# Altium PCB PCB-2-Layer_(1).PcbDoc (part 2 of 2)
Units mm, origin at the board's own origin, x right, y up, seen from the top; angles counter-clockwise.
Board outline 103.78 x 88.75 mm, 2 copper layers (Top Layer, Bottom Layer), stack 1.535 mm thick; 124 components, 78 nets, 479 pads, 495 vias.
Unrouted connection lines stored in the file: 106.
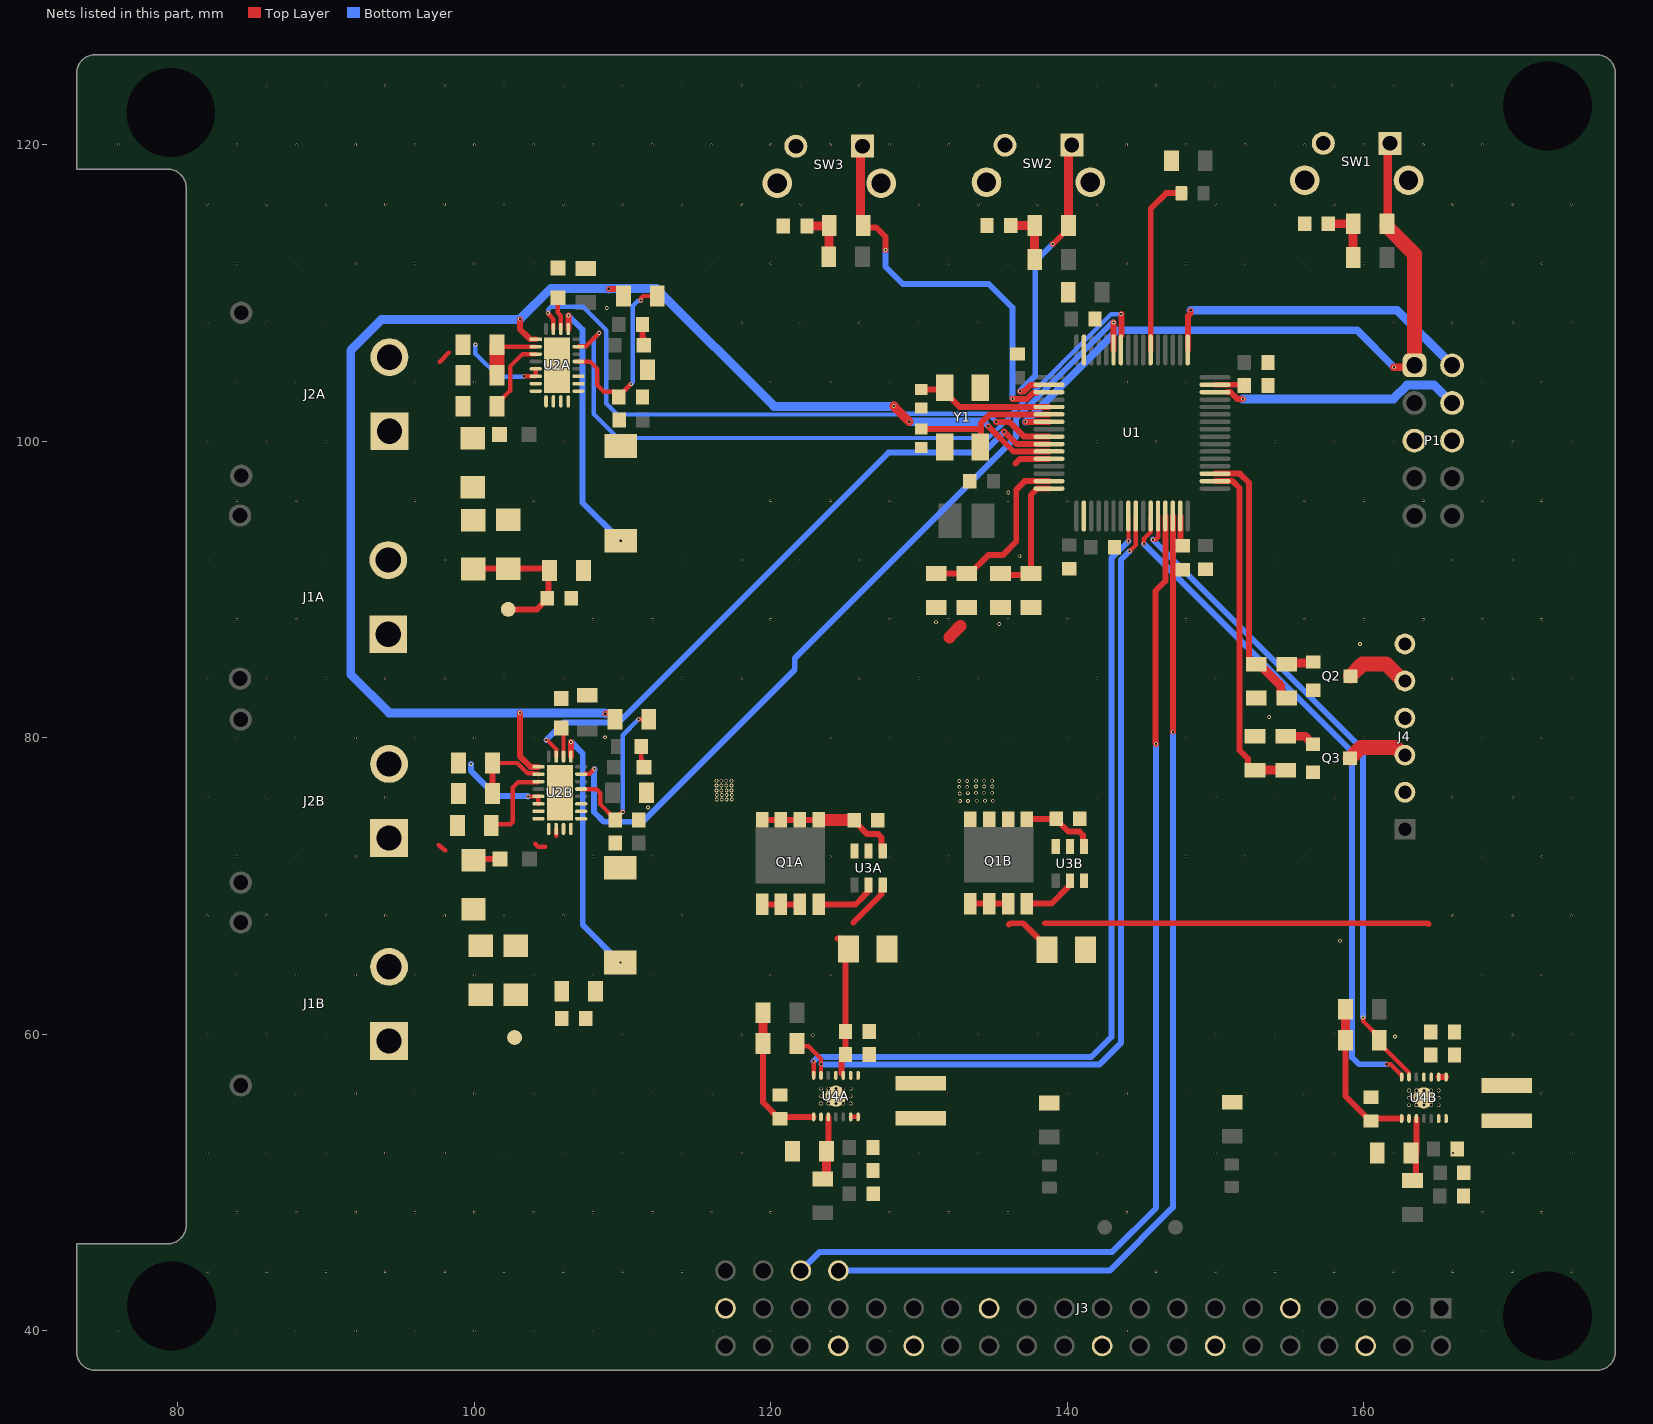
[diagram p2: the nets of this part, all layers, seen from the top]

## Via types
v1: diameter 0.15, hole 0.14, Top Layer to Bottom Layer, 348 vias
v2: diameter 0.25, hole 0.15, Top Layer to Bottom Layer, 117 vias
v3: diameter 0.25, hole 0.2, Top Layer to Bottom Layer, 30 vias

## Nets (pads, with @x,y where several pads share a name; then routed paths per layer and width w, separated by ;. In a path a pad name is that pad's centre, name@x,y a point inside that pad or via, vN(x,y) a via of type N, cw(c..) or ccw(c..) an arc to the next point about the centre after c; other vN are vias at no path point) (continued)
"FB_U_Buck - Boost Converter1": R21A.2 R22A.1 U4A.3 | length 4.4
  Top Layer w0.4: R22A.1@123.745,52.115 123.883,52.253 U4A.3@123.883,54.44
  Top Layer w0.6: R21A.2@123.493,50.26 123.545,50.26 123.745,50.46 R22A.1@123.745,52.115
"FB_U_Buck - Boost Converter2": R21B.2 R22B.1 U4B.3 | length 4.3
  Top Layer w0.4: R21B.2@163.28,50.145 163.509,50.374 163.509,52 163.542,52.033 U4B.3@163.542,54.326
"G_OR__ideal diode1": Q1A.4 U3A.5 | length 4.1
  Top Layer w0.4: Q1A.4@123.221,68.768 125.708,68.768 126.3,69.36 126.3,69.384 126.583,69.667 126.583,69.892 U3A.5@126.658,69.967
"G_OR__ideal diode2": Q1B.4 U3B.5 | length 3.7
  Top Layer w0.4: Q1B.4@137.27,68.822 138.926,68.822 140.095,69.991 140.095,70.293 U3B.5@140.17,70.368
GND: C1.1 C2.1 C3.1 C4.1 C5.1 C6.1 C7.1 C8.1 C9.1 C10.1 C11.1 C12.1 C13.1 C14.1 C17A.1 C17B.1 C18A.1 C18B.1 C19A.1 C19B.1 C21A.1 C21B.1 C22A.1 C22B.1 C23A.1 C23B.1 C24A.1 C24B.1 C25A.1 C25B.1 C26A.1 C26B.1 C27A.1 C27B.1 C28A.1 C28B.1 C29A.1 C29B.1 J1A.N J1B.N J2A.N J2B.N J3.6 J3.9 J3.14 J3.20 J3.25 J3.30 J3.34 J3.39 J4.6 P1.5 P1.6 Q2.2 Q3.2 R3.2 R4.2 R11.2 R16A.1 R16B.1 R17A.1 R17B.1 R18A.2 R18B.2 R22A.2 R22B.2 R24.2 R26.1 R27.1 R28.1 R29.2 SW1.1 SW1.2 SW1.B SW2.1 SW2.2 SW2.B SW3.1 SW3.2 SW3.B U1.12 U1.18 U1.63 U2A.7 U2A.8 U2A.9 U2A.10 U2A.11 U2A.12 U2A.25 U2B.7 U2B.8 U2B.9 U2B.10 U2B.11 U2B.12 U2B.25 U3A.2 U3A.3 U3B.2 U3B.3 U4A.2 U4A.15 U4B.2 U4B.15 Y1.2 Y1.4 | length 3.6
  Top Layer w0.3: 104.115,72.847 104.318,72.644 104.775,72.644 ; 105.516,73.385 U2B.10@105.516,73.861
  Top Layer w0.4: 136.492,98.502 136.809,98.819 U1.12@138.774,98.819
  other v1: 76,40 84,40 88,40 92,40 96,40 100,40 104,40 108,40 112,40 116,40 120,40 124,40 128,40 132,40 136,40 140,40 144,40 148,40 152,40 156,40 160,40 164,40 168,40 82,44 86,44 90,44 94,44 98,44 102,44 106,44 110,44 114,44 146,44 150,44 154,44 158,44 162,44 166,44 170,44 174,44 84,48 88,48 92,48 96,48 100,48 104,48 108,48 112,48 116,48 120,48 128,48 132,48 136,48 144,48 168,48 172,48 82,52 86,52 90,52 94,52 98,52 102,52 106,52 110,52 114,52 118,52 130,52 134,52 138,52 142,52 150,52 154,52 158,52 162,52 166,52 170,52 174,52 88,56 92,56 96,56 100,56 104,56 108,56 112,56 116,56 132,56 136,56 140,56 144,56 148,56 152,56 156,56 172,56 82,60 86,60 90,60 110,60 118,60 130,60 134,60 138,60 142,60 150,60 154,60 158,60 170,60 174,60 84,64 88,64 92,64 96,64 100,64 104,64 108,64 112,64 120,64 124,64 168,64 172,64 82,68 86,68 90,68 94,68 98,68 102,68 106,68 114,68 166,68 170,68 174,68 84,72 88,72 92,72 108,72 112,72 124,72 128,72 132,72 148,72 152,72 156,72 168,72 172,72 82,76 86,76 90,76 94,76 114,76 142,76 150,76 154,76 158,76 166,76 170,76 174,76 84,80 88,80 92,80 96,80 100,80 104,80 124,80 128,80 132,80 136,80 140,80 148,80 168,80 172,80 160,80.025 82,84 86,84 90,84 94,84 98,84 102,84 106,84 110,84 114,84 118,84 126,84 130,84 134,84 142,84 150,84 158,84 166,84 170,84 174,84 84,88 88,88 108,88 112,88 120,88 128,88 132,88 136,88 140,88 148,88 156,88 160,88 164,88 168,88 172,88 82,92 86,92 90,92 98,92 114,92 118,92 122,92 126,92 130,92 138,92 154,92 158,92 162,92 166,92 170,92 174,92 84,96 88,96 96,96 104,96 120,96 124,96 128,96 136,96 140,96 156,96 160,96 164,96 168,96 172,96 82,100 86,100 90,100 106,100 142,100 146,100 154,100 158,100 162,100 170,100 174,100 84,104 88,104 96,104 100,104 120,104 124,104 128,104 144,104 148,104 168,104 172,104 82,108 86,108 90,108 118,108 122,108 126,108 130,108 134,108 162,108 166,108 170,108 174,108 84,112 88,112 92,112 96,112 100,112 104,112 116,112 120,112 132,112 136,112 144,112 148,112 152,112 156,112 160,112 168,112 172,112 82,116 86,116 90,116 94,116 98,116 102,116 106,116 110,116 114,116 118,116 122,116 130,116 134,116 138,116 142,116 150,116 154,116 158,116 166,116 170,116 174,116 76,120 84,120 88,120 92,120 96,120 100,120 104,120 108,120 112,120 116,120 120,120 124,120 128,120 132,120 144,120 148,120 152,120 156,120 160,120 164,120 168,120 86,124 90,124 94,124 98,124 102,124 106,124 110,124 114,124 118,124 122,124 126,124 130,124 134,124 138,124 142,124 146,124 150,124 154,124 158,124 162,124 166,124
  other v2: 162.103,59.868 122.834,59.944 158.394,66.319 111.713,75.307 108.814,80.035 153.619,81.407 159.741,86.335 135.407,87.681 131.14,87.808 136.779,92.253 136.017,96.545 108.941,108.991
  other v3: 163.042,55.226 163.542,55.226 164.042,55.226 164.542,55.226 165.042,55.226 123.383,55.34 123.883,55.34 124.383,55.34 124.883,55.34 125.383,55.34 163.042,55.726 163.542,55.726 164.042,55.726 164.542,55.726 165.042,55.726 123.383,55.84 123.883,55.84 124.383,55.84 124.883,55.84 125.383,55.84 163.042,56.226 163.542,56.226 164.042,56.226 164.542,56.226 165.042,56.226 123.383,56.34 123.883,56.34 124.383,56.34 124.883,56.34 125.383,56.34
IMON1: U1.9 U2A.23 | length 41.9
  Top Layer w0.3: v2(104.978,108.661) 104.978,108.61 105.334,108.255 105.334,107.584 U2A.23@105.338,107.58
  Top Layer w0.4: v2(135.2,101.319) 136.084,101.319 137.081,100.322 138.771,100.322 U1.9@138.774,100.319
  Bottom Layer w0.3: v2(104.978,108.661) 104.978,108.892 105.154,109.068 107.34,109.068 108.902,107.506 108.902,102.548 109.639,101.812 128.498,101.812 128.556,101.871 134.648,101.871 v2(135.2,101.319)
IMON2: U1.10 U2B.23 | length 44.3
  Top Layer w0.3: v2(104.851,79.858) 104.91,79.858 105.516,79.252 U2B.23@105.516,78.742
  Top Layer w0.4: v2(135.738,100.655) 136.575,99.819 U1.10@138.774,99.819
  Bottom Layer w0.4: v2(104.851,79.858) 106.029,81.036 109.738,81.036 127.94,99.238 134.321,99.238 v2(135.738,100.655)
INTVcc_MPPT_charger1: C21A.2 R14A.2 U2A.17 | length 12.9
  Top Layer w0.3: U2A.17@107.028,105.389 107.033,105.385 107.798,105.385 108.306,104.877 108.306,103.784 108.743,103.347 109.441,103.347 C21A.2@109.741,103.047 ; C21A.2@109.741,102.997 C21A.2@109.741,103.047 ; v2(110.566,103.861) 110.554,103.861 C21A.2@109.741,103.047 ; v2(111.227,109.499) 111.227,109.628 111.402,109.804 R14A.2@112.344,109.804
  Bottom Layer w0.3: v2(110.566,103.861) 110.693,103.988 110.693,109.133 111.06,109.499 v2(111.227,109.499)
INTVcc_MPPT_charger2: C21B.2 R14B.2 U2B.17 | length 11.7
  Top Layer w0.3: U2B.17@107.206,76.552 108.233,76.552 108.509,76.276 108.509,75.513 C21B.2@109.5,74.523 ; C21B.2@109.5,74.473 C21B.2@109.5,74.523 ; v2(110.007,75.006) 109.983,75.006 C21B.2@109.5,74.523 ; v2(111.074,81.255) R14B.2@111.765,81.255
  Bottom Layer w0.3: v2(110.007,75.006) 110.007,80.188 v2(111.074,81.255)
ISN_MPPT_charger1: NT2_MPPT_charger1.1 U2A.22 | length 2.2
  Top Layer w0.3: NT2_MPPT_charger1.1@105.639,109.684 105.639,108.675 105.838,108.476 U2A.22@105.838,107.58
ISN_MPPT_charger2: NT2_MPPT_charger2.1 U2B.22 | length 2
  Top Layer w0.3: NT2_MPPT_charger2.1@105.938,80.779 106.016,80.429 U2B.22@106.016,78.742
ISP_MPPT_charger1: C16A.2 L2A.2 R12A.2 U2A.21 | length 17.6
  Top Layer w0.3: U2A.21@106.338,107.58 U2A.21@106.342,107.584
  Top Layer w0.4: U2A.21@106.342,107.584 106.35,107.592 v2(106.35,108.483)
  Bottom Layer w0.4: v2(106.35,108.483) 107.29,107.544 107.29,95.878 v2(109.873,93.295)
ISP_MPPT_charger2: C16B.2 L2B.2 R12B.2 U2B.21 | length 17.3
  Top Layer w0.3: U2B.21@106.516,78.742 U2B.21@106.528,78.754
  Top Layer w0.4: U2B.21@106.528,78.754 v2(106.528,79.731)
  Bottom Layer w0.4: v2(106.528,79.731) 107.315,78.943 107.315,67.386 v2(109.855,64.846)
"L1_U_Buck - Boost Converter1": L3A.2 U4A.8 U4A.9
"L1_U_Buck - Boost Converter2": L3B.2 U4B.8 U4B.9 | length 1.7
  Top Layer w0.4: U4B.9@165.042,57.126 165.043,57.125 U4B.8@165.542,57.126 ; L3B.2@168.564,56.354 L3B.2@169.774,56.354
"L2_U_Buck - Boost Converter1": L3A.1 U4A.6 U4A.7 | length 0.5
  Top Layer w0.3: U4A.6@125.383,54.44 U4A.7@125.883,54.44
"L2_U_Buck - Boost Converter2": L3B.1 U4B.6 U4B.7 | length 1.4
  Top Layer w0.4: L3B.1@169.503,54.254 L3B.1@169.774,53.984 ; L3B.1@169.621,54.187 170.15,54.187 L3B.1@169.622,54.205
MODE_3V3: R19A.2 U1.25 U4A.13 | length 59.9
  Top Layer w0.3: R19A.2@121.768,59.385 121.957,59.195 122.542,59.195 123.383,58.354 v2@123.383,58.014 ; U4A.13@123.383,57.24 123.383,57.981 v2(123.399,57.996) ; v2(144.196,92.583) 144.624,93.011 U1.25@144.624,94.969
  Bottom Layer w0.4: v2(123.399,57.996) 123.416,57.979 142.18,57.979 143.612,59.411 143.612,91.999 v2(144.196,92.583)
MODE_5V: R19B.2 U1.28 U4B.13 | length 45.2
  Top Layer w0.3: v2(145.771,93.37) 145.948,93.37 146.124,93.546 U1.28@146.124,94.969 ; v2(159.944,61.138) 159.944,60.904 161.035,59.813 161.035,59.416 163.042,57.409 U4B.13@163.042,57.126
  Bottom Layer w0.4: v2(145.771,93.37) 159.944,79.197 v2(159.944,61.138)
NetQ2_1: Q2.1 R23.2 | length 1.9
  Top Layer w0.6: R23.2@154.788,84.967 154.862,85.041 156.511,85.041 Q2.1@156.586,85.116
NetQ3_1: Q3.1 R25.2 | length 2.1
  Top Layer w0.6: R25.2@154.733,80.11 156.035,80.11 156.395,79.75 156.395,79.725 156.545,79.575 Q3.1@156.57,79.575
NRST: P1.1 R8.2 SW1.A U1.7 | length 47.3
  Top Layer w0.4: v2(137.184,101.319) U1.7@138.774,101.319
  Top Layer w0.5: v2(162.027,105.004) P1.1@163.28,105.004
  Top Layer w0.6: R8.2@161.563,114.681 161.612,114.73 161.612,119.956 SW1.A@161.762,120.106
  Top Layer w1: R8.2@161.563,114.681 161.563,114.483 163.407,112.639 P1.1@163.407,105.131 P1.1@163.28,105.004
  Bottom Layer w0.5: v2(137.184,101.319) 143.357,107.492 159.538,107.492 v2(162.027,105.004)
NRST_NDB: C8.2 R7.2 R8.1 | length 4
  Top Layer w0.6: C8.2@157.602,114.681 R8.1@159.277,114.681 R7.2@159.277,112.395
OSC_IN: C12.2 U1.5 Y1.3 | length 9.1
  Top Layer w0.4: C12.2@130.15,103.51 131.544,103.51 132.735,102.319 U1.5@138.774,102.319
OSC_OUT: C11.2 U1.6 Y1.1 | length 10.5
  Top Layer w0.4: C11.2@130.15,100.843 134.117,100.843 134.165,100.891 ; Y1.1@134.129,99.625 134.165,99.662 134.165,100.891 ; U1.6@138.774,101.819 134.764,101.819 134.169,101.224 134.169,100.895 134.165,100.891
PG_3V3_: U1.24 U4A.14 | length 57.3
  Top Layer w0.3: U4A.14@122.883,57.24 122.883,58.19 v2(122.885,58.191) ; v2(144.12,93.269) 144.124,93.273 U1.24@144.124,94.969
  Bottom Layer w0.4: v2(122.885,58.191) 123.19,58.496 123.626,58.496 123.643,58.479 141.613,58.479 142.966,59.832 142.966,92.115 v2(144.12,93.269)
PG_5V: U1.27 U4B.14 | length 46.5
  Top Layer w0.3: v2(145.161,93.091) 145.161,93.421 145.624,93.884 U1.27@145.624,94.969 ; v2(161.544,57.988) 161.799,57.988 162.542,57.246 U4B.14@162.542,57.126
  Bottom Layer w0.4: v2(145.161,93.091) 159.207,79.045 159.207,58.445 159.664,57.988 v2(161.544,57.988)
PG_MPPT_charger1: U1.58 U2A.19 | length 48.6
  Top Layer w0.3: U2A.19@107.028,106.389 107.057,106.418 107.536,106.418 v2(108.433,107.315)
  Top Layer w0.4: U1.58@143.637,107.16 v2(143.637,108.585)
  Bottom Layer w0.3: v2(108.433,107.315) 108.069,106.952 108.069,101.836 109.677,100.228 134.675,100.228 136.075,101.628 136.075,101.695 142.965,108.585 v2(143.637,108.585)
PG_MPPT_charger2: U1.59 U2B.19 | length 55.9
  Top Layer w0.3: U2B.19@107.472,77.58 107.774,77.58 v2(108.099,77.905)
  Top Layer w0.4: v2(143.109,108.021) 143.109,107.019 143.124,107.004 U1.59@143.124,106.169
  Bottom Layer w0.4: v2(108.099,77.905) 108.099,77.848 108.077,77.826 108.077,75.006 108.737,74.346 111.354,74.346 121.615,84.607 121.615,85.369 136.525,100.279 136.525,101.509 143.037,108.021 v2(143.109,108.021)
POWER_O1: J4.5 Q2.3 | length 4.5
  Top Layer w1: Q2.3@159.086,84.166 159.908,84.988 161.507,84.988 162.659,83.836 J4.5@162.768,83.836
POWER_O2: J4.3 Q3.3 | length 4.2
  Top Layer w1: Q3.3@159.07,78.625 159.794,79.35 162.146,79.35 162.659,78.836 J4.3@162.768,78.836
POWER_sw1: R23.1 R24.1 U1.35 | length 18.4
  Top Layer w0.4: U1.35@149.974,97.819 151.634,97.819 152.248,97.206 152.248,85.267 152.548,84.967 R24.1@152.73,84.967
  Top Layer w0.6: R24.1@152.73,84.967 152.929,84.967 154.389,83.507 154.389,82.881 154.589,82.681 R23.1@154.788,82.681
POWER_sw2: R25.1 R29.1 U1.34 | length 23.5
  Top Layer w0.4: U1.34@149.974,97.319 151.15,97.319 151.613,96.856 151.613,79.172 152.182,78.602 152.182,78.124 152.482,77.824 R29.1@152.65,77.824
  Top Layer w0.6: R29.1@152.65,77.824 R25.1@154.733,77.824
RT_MPPT_charger1: R17A.2 U2A.3 | length 5.1
  Top Layer w0.3: R17A.2@101.524,102.367 101.524,102.565 101.874,102.915 101.902,102.915 102.413,103.427 102.413,105.048 103.254,105.889 U2A.3@104.147,105.889
RT_MPPT_charger2: R17B.2 U2B.3 | length 5.8
  Top Layer w0.3: R17B.2@101.143,74.092 101.219,74.168 102.415,74.168 102.591,74.344 102.591,76.657 102.956,77.023 104.296,77.023 U2B.3@104.325,77.052
RX: J3.43 U1.29 | length 72.7
  Top Layer w0.4: v2(145.974,79.604) 145.948,79.629 145.948,89.916 146.624,90.591 U1.29@146.624,94.969
  Bottom Layer w0.4: J3.43@122.022,44.069 123.292,45.339 143.027,45.339 145.974,48.285 v2(145.974,79.604)
"SENSE_ideal diode1": C23A.2 C23B.2 C24A.2 C24B.2 C25A.2 C25B.2 J4.2 J4.4 Q1A.1 Q1A.2 Q1A.3 Q1B.1 Q1B.2 Q1B.3 U3A.6 U3B.6 U4A.10 U4A.11 U4B.10 U4B.11 | length 47.4
  Top Layer w0.3: C24A.2@124.765,58.376 C24A.2@125.032,58.642
  Top Layer w0.4: 119.949,68.768 Q1A.2@120.681,68.768 Q1A.3@121.951,68.768 ; 124.492,66.461 124.738,66.461 125.238,65.961 C23A.2@125.238,65.761 125.032,65.554 C25A.2@125.032,60.192 C24A.2@125.032,58.642 ; U4A.10@124.765,57.372 C24A.2@124.765,58.376 ; 125.56,67.546 127.469,69.455 127.469,69.827 U3A.6@127.608,69.967 ; Q1B.1@133.46,68.822 Q1B.2@134.73,68.822 Q1B.3@136,68.822 Q1B.3@136,68.522 ; 136.068,67.412 136.155,67.499 137.019,67.499 138.108,66.41 138.131,66.41 138.631,65.91 C23B.2@138.631,65.71 ; 138.5,67.499 164.301,67.499 164.363,67.437 ; U3B.6@141.12,70.143 U3B.6@141.12,70.368
SW_MPPT_charger1: C15A.1 L2A.1 U2A.13 U2A.14 U2A.15
SW_MPPT_charger2: C15B.1 L2B.1 U2B.13 U2B.14 U2B.15
SWCLK: P1.2 U1.49 | length 21.9
  Top Layer w0.4: U1.49@148.124,106.169 148.124,108.45 148.319,108.645 v2(148.319,108.844)
  Bottom Layer w0.6: v2(148.319,108.844) 162.233,108.844 P1.2@165.947,105.131
SWDIO: P1.4 U1.46 | length 16.2
  Top Layer w0.4: U1.46@150.813,103.319 151,103.319 151.449,102.87 v2(151.841,102.87)
  Bottom Layer w0.6: v2(151.841,102.87) 161.989,102.87 162.91,103.791 164.743,103.791 165.943,102.591 P1.4@165.947,102.591
SYNC_CHRGR: R14A.1 R14B.1 U1.11 U2A.1 U2B.1 | length 102.2
  Top Layer w0.4: v2(103.073,81.686) 103.073,78.765 103.787,78.052 U2B.1@104.325,78.052 ; v2(103.073,108.229) 103.073,107.575 103.356,107.292 103.36,107.292 103.763,106.889 U2A.1@104.147,106.889 ; v2(108.839,81.636) 109.179,81.636 109.479,81.336 R14B.1@109.479,81.255 ; v2(109.068,110.287) 109.758,110.287 110.058,109.987 R14A.1@110.058,109.804 ; v2(134.669,101.017) 136.368,99.319 U1.11@138.774,99.319
  Top Layer w0.6: v2(128.295,102.387) 128.295,102.362 v2(129.337,101.321)
  Bottom Layer w0.4: 134.366,101.321 v2(134.669,101.017)
  Bottom Layer w0.6: v2(108.839,81.636) 108.788,81.686 v2(103.073,81.686) 94.259,81.686 91.669,84.277 91.669,106.147 93.751,108.229 v2(103.073,108.229) 105.156,110.312 109.042,110.312 v2(109.068,110.287) 109.084,110.303 112.277,110.303 120.218,102.362 128.27,102.362 v2(128.295,102.387) ; v2(129.337,101.321) 134.366,101.321
TR/SS_MPPT_charger1: R13A.1 R16A.2 U2A.2 | length 4.7
  Top Layer w0.3: R13A.1@101.524,106.52 101.655,106.389 U2A.2@104.147,106.389
  Top Layer w1: R16A.2@101.524,104.456 101.524,104.654 R13A.1@101.524,106.52
TR/SS_MPPT_charger2: R13B.1 R16B.2 U2B.2 | length 6.1
  Top Layer w0.3: R13B.1@101.569,77.805 101.219,78.155 R13B.1@101.219,78.308 102.894,78.308 103.601,77.602 103.981,77.602 104.002,77.58 104.296,77.58 U2B.2@104.325,77.552
  Top Layer w0.4: R16B.2@101.219,76.251 R13B.1@101.219,78.308
TX: J3.44 U1.30 | length 71
  Top Layer w0.4: v2(147.117,80.416) 147.124,80.423 U1.30@147.124,94.969
  Bottom Layer w0.4: J3.44@124.562,44.069 142.85,44.069 147.117,48.336 v2(147.117,80.416)
USER_BUTTON_0: R9.2 SW2.A U1.2 | length 19.4
  Top Layer w0.4: v2(136.796,103.378) 137.089,103.378 137.503,103.792 U1.2@137.924,103.792 ; v2(139.014,113.309) 139.035,113.309 140.081,114.356 R9.2@140.081,114.554
  Top Layer w0.6: R9.2@140.081,114.554 140.081,119.761 SW2.A@140.299,119.979
  Bottom Layer w0.4: v2(136.796,103.378) 137.833,104.415 137.833,112.128 v2(139.014,113.309)
USER_BUTTON_1: R10.2 SW3.A U1.3 | length 27
  Top Layer w0.4: R10.2@126.229,114.554 126.348,114.434 127.094,114.434 127.737,113.792 v2(127.737,112.903) ; v2(136.296,102.878) 136.315,102.86 137.278,102.86 137.687,103.269 U1.3@137.924,103.269
  Top Layer w0.6: SW3.A@126.187,119.91 126.035,119.758 126.035,114.748 R10.2@126.229,114.554
  Bottom Layer w0.4: v2(127.737,112.903) 127.737,111.785 128.905,110.617 134.696,110.617 136.296,109.017 v2(136.296,102.878)
USER_LED: D1.A U1.54 | length 12
  Top Layer w0.4: U1.54@145.624,106.169 145.624,115.702 146.661,116.74 D1.A@147.688,116.74
USRB0_NDB: C9.2 R6.2 R9.1 | length 3.9
  Top Layer w0.6: C9.2@136.182,114.554 R9.1@137.795,114.554 R6.2@137.795,112.268
USRB1_NDB: C10.2 R5.2 R10.1 | length 3.6
  Top Layer w0.6: C10.2@122.44,114.522 122.456,114.538 R10.1@123.927,114.538 ; R5.2@123.901,112.446 123.922,112.466 123.922,114.534 R10.1@123.927,114.538 ; R10.1@123.943,114.554 R10.1@123.927,114.538
VBAT1: C16A.1 C18A.2 C19A.2 C20A.2 C22A.2 J1A.P NT2_MPPT_charger1.2 NT3_MPPT_charger1.2 Q1A.5 Q1A.6 Q1A.7 Q1A.8 R2.1 R12A.1 R15A.1 TP1A.0 U3A.1 | length 21.6
  Top Layer w0.4: C18A.2@99.96,91.465 100.011,91.415 C19A.2@102.297,91.415 104.962,91.415 R12A.1@105.08,91.297 105.006,91.223 105.006,89.497 C16A.1@104.931,89.423 104.931,89.373 104.23,88.671 TP1A.0@102.286,88.671 ; C20A.2@111.344,107.884 111.344,106.997 111.485,106.857 NT3_MPPT_charger1.2@111.485,106.482 ; 119.949,74.468 Q1A.7@120.681,74.468 Q1A.6@121.951,74.468 Q1A.5@123.221,74.468 ; C22A.2@125.616,74.397 126.502,73.511 127.234,73.511 127.469,73.277 127.469,72.447 U3A.1@127.544,72.372
  Top Layer w0.8: Q1A.5@123.221,74.468 123.231,74.458 125.606,74.458 C22A.2@125.616,74.447 ; 132.055,86.766 132.055,86.817 132.791,87.554
VBAT1_DIV: R2.2 R3.1 U1.15 | length 12.2
  Top Layer w0.4: R3.1@131.165,91.084 R2.2@133.222,91.084 133.421,91.084 134.666,92.329 135.636,92.329 136.55,93.243 136.55,96.749 137.121,97.319 U1.15@138.774,97.319
VBAT2: C16B.1 C18B.2 C19B.2 C20B.2 C22B.2 J1B.P NT2_MPPT_charger2.2 NT3_MPPT_charger2.2 Q1B.5 Q1B.6 Q1B.7 Q1B.8 R1.1 R12B.1 R15B.1 TP1B.0 U3B.1 | length 6.5
  Top Layer w0.3: C20B.2@111.265,79.425 111.265,78.563 111.45,78.377 NT3_MPPT_charger2.2@111.45,78.024
  Top Layer w0.4: Q1B.5@137.27,74.522 137.284,74.535 139.229,74.535 C22B.2@139.243,74.549 ; C22B.2@139.243,74.499 140.058,73.683 140.81,73.683 141.045,73.449 141.045,72.743 U3B.1@141.12,72.668
  other v2: 132.766,75.743 133.299,75.743 133.883,75.768 134.442,75.768 134.976,75.768 116.357,75.844 116.688,75.844 117.018,75.844 117.373,75.844 116.357,76.149 116.688,76.149 117.018,76.149 117.373,76.149 132.74,76.251 133.299,76.276 133.833,76.302 134.366,76.302 134.925,76.302 116.332,76.454 116.662,76.454 117.018,76.454 117.348,76.454 132.717,76.697 133.251,76.697 133.835,76.722 134.394,76.722 134.927,76.722 116.332,76.784 116.662,76.784 116.992,76.784 117.348,76.784 132.715,77.089 133.248,77.089 116.332,77.114 116.662,77.114 116.992,77.114 117.348,77.114 133.833,77.114 134.391,77.114 134.925,77.114
VBAT2_DIV: R1.2 R4.1 U1.16 | length 8.9
  Top Layer w0.4: R4.1@135.331,91.084 135.433,90.983 137.287,90.983 R1.2@137.389,91.084 ; R1.2@137.541,91.084 137.541,96.386 137.974,96.819 U1.16@138.774,96.819
VCAP_1: C14.2 U1.31 | length 2.2
  Top Layer w0.4: U1.31@147.624,94.969 147.624,93.13 C14.2@147.866,92.888
VCAP_2: C13.2 U1.47 | length 2.1
  Top Layer w0.4: U1.47@149.974,103.819 151.624,103.819 151.67,103.865 C13.2@151.744,103.865 ; C13.2@151.718,103.856 C13.2@151.968,104.106
"VINA_U_Buck - Boost Converter1": C29A.2 R19A.1 R20A.1 U4A.1 | length 10
  Top Layer w0.4: R19A.1@119.482,59.385 119.482,55.411 120.575,54.318 C29A.2@120.625,54.318 120.747,54.44 U4A.1@122.883,54.44
  Top Layer w0.6: R19A.1@119.482,59.385 R20A.1@119.482,61.468
"VINA_U_Buck - Boost Converter2": C29B.2 R19B.1 R20B.1 U4B.1 | length 10.4
  Top Layer w0.4: R19B.1@158.749,59.615 158.749,55.851 160.436,54.164 C29B.2@160.486,54.164 160.648,54.326 U4B.1@162.542,54.326
  Top Layer w0.6: R19B.1@158.749,59.615 R20B.1@158.749,61.698
VSOLAR_MPPT_charger1: C17A.2 J2A.P NT1A.1 R13A.2 U2A.5 U2A.6 | length 6.7
  Top Layer w0.3: 97.663,105.359 98.273,105.994 ; v2(103.372,104.389) U2A.6@104.147,104.389 U2A.5@104.147,104.889
  Bottom Layer w0.3: v2(100.076,106.528) 100.076,105.918 101.625,104.369 103.351,104.369 v2(103.372,104.389)
VSOLAR_MPPT_charger2: C17B.2 J2B.P NT1_MPPT_charger2.1 R13B.2 U2B.5 U2B.6 | length 8.3
  Top Layer w0.3: 97.6,72.777 98.052,72.406 ; v2(103.632,76.048) 104.321,76.048 U2B.5@104.325,76.052 U2B.6@104.325,75.552
  Top Layer w0.4: C17B.2@100.062,71.871 100.101,71.831 NT1_MPPT_charger2.1@101.729,71.831
  Bottom Layer w0.4: v2(99.771,78.232) 99.771,77.775 101.219,76.327 ; 101.321,76.073 103.607,76.073 v2(103.632,76.048)
pads on no net: J1A.S1 J1A.S2 J1B.S1 J1B.S2 J2A.S1 J2A.S2 J2B.S1 J2B.S2 J3.1 J3.3 J3.5 J3.7 J3.8 J3.10 J3.11 J3.12 J3.13 J3.15 J3.16 J3.17 J3.18 J3.19 J3.21 J3.22 J3.23 J3.24 J3.26 J3.27 J3.28 J3.29 J3.31 J3.32 J3.33 J3.35 J3.36 J3.37 J3.38 J3.40 P1.3 Q1A.9 Q1B.9 U1.4 U1.8 U1.14 U1.17 U1.20 U1.21 U1.22 U1.23 U1.26 U1.33 U1.36 U1.37 U1.38 U1.39 U1.40 U1.41 U1.42 U1.43 U1.44 U1.45 U1.50 U1.51 U1.52 U1.53 U1.55 U1.56 U1.57 U1.61 U1.62 U2A.24 U2B.24 U3A.4 U3B.4

## Polygon pours and split planes (outlines as drawn)
GND on Bottom Layer "GND_L02_P001" (solid, remove dead copper, pour order 1): 73.177,38.608 73.177,45.847 cw(c73.203,45.847) 73.203,45.872 79.299,45.872 ccw(c79.299,47.142) 80.569,47.142 80.569,117.094 ccw(c79.299,117.094) 79.299,118.364 73.177,118.364 73.177,124.816 cw(c74.447,124.816) 74.447,126.086 175.692,126.086 cw(c175.692,124.816) 176.962,124.816 176.962,38.608 cw(c175.692,38.608) 175.692,37.338 74.447,37.338 cw(c74.447,38.608)
GND on Top Layer "GND_L01_P000" (solid, remove dead copper, pour order 0): 73.177,38.608 73.177,45.847 cw(c73.203,45.847) 73.203,45.872 79.299,45.872 ccw(c79.299,47.142) 80.569,47.142 80.569,117.094 ccw(c79.299,117.094) 79.299,118.364 73.177,118.364 73.177,124.816 cw(c74.447,124.816) 74.447,126.086 175.692,126.086 cw(c175.692,124.816) 176.962,124.816 176.962,38.608 cw(c175.692,38.608) 175.692,37.338 74.447,37.338 cw(c74.447,38.608)

## Other copper
Top Layer:
  region net +3V3: 124.257,54.762 125.091,54.762 125.091,53.522 125.832,52.781 125.832,47.269 122.555,47.269 120.396,45.11 120.396,43.713 119.888,43.205 116.256,43.205 116.078,43.383 116.078,44.679 116.256,44.856 118.085,44.856 121.717,48.489 123.774,48.489 124.562,49.276 124.562,52.984 124.257,53.289
  region net VBAT1: 92.913,88.267 95.227,88.267 99.138,92.179 105.588,92.179 105.588,88.189 106.373,87.403 113.108,87.403 115.214,89.51 115.214,105.31 114.556,105.969 110.896,105.969 110.719,106.147 110.719,108.28 110.896,108.458 112.776,108.458 113.233,108.915 113.233,110.82 105.847,110.82 105.131,111.298 105.131,112.166 105.308,112.344 114.935,112.344 117.145,110.134 117.145,89.51 119.251,87.403 134.061,87.403 133.043,86.385 125.781,86.385 123.707,84.312 123.707,74.242 118.715,74.242 118.715,83.571 116.563,85.723 92.913,85.723
  region net ISP_MPPT_charger1: 105.969,88.824 107.467,88.824 108.71,90.067 111.004,92.36 111.004,94.132 108.71,94.132 108.71,92.886 108.009,92.185 107.547,92.185 105.969,92.185
  region net VBAT2: 132.512,74.249 132.512,77.368 137.711,77.368 137.711,74.249
  region net "FB_U_Buck - Boost Converter1": 124.231,52.857 124.231,49.708 122.707,49.708 122.707,50.825 123.165,50.825 123.165,52.857
  region net "FB_U_Buck - Boost Converter2": 164.059,52.756 164.059,49.581 162.509,49.581 162.509,50.673 162.916,50.673 162.916,52.756 162.966,52.756
  region net SW_MPPT_charger2: 107.214,75.717 107.62,75.717 107.62,74.27 108.407,73.482 110.109,73.482 110.109,72.39 110.409,72.09 110.973,72.09 110.973,70.382 108.739,70.382 108.739,72.109 106.782,74.066 106.782,75.717
  region net SW_MPPT_charger1: 107.063,104.518 107.473,104.518 107.473,103.039 108.465,102.083 110.261,102.083 110.261,101.244 110.973,100.533 110.973,98.882 108.763,98.882 108.763,100.188 106.607,102.324 106.607,104.518
  region net ISP_MPPT_charger2: 106.886,60.401 108.001,60.401 109.093,61.493 111.004,63.404 111.004,65.71 108.71,65.71 108.71,64.311 108.161,63.762 107.547,63.762 106.886,63.762
  region net +5V: 163.919,54.648 164.681,54.648 164.681,53.835 165.62,52.896 165.62,48.045 168.377,45.288 168.377,40.107 166.446,38.176 162.179,38.176 161.874,38.481 161.874,39.395 162.281,39.802 165.837,39.802 166.7,40.665 166.7,44.584 163.99,47.295 162.509,47.295 162.509,48.362 164.008,48.362 164.478,48.831 164.478,52.108 164.478,53.048 163.919,53.607
  region net "SENSE_ideal diode1": 164.668,56.816 164.668,57.836 164.928,58.096 163.73,58.069 163.907,57.892 163.907,56.823
  region net "SENSE_ideal diode1": 162.357,82.118 163.728,82.118 165.303,80.543 165.303,58.064 163.728,58.064 163.728,75.082 163.246,75.565 162.382,75.565 162.052,75.895 162.052,76.759 162.408,77.114 163.271,77.114 163.678,77.521 163.678,80.209 163.292,80.594 162.331,80.594 162.052,80.874 162.052,81.813
  region net VBAT2: 93.02,60.859 96.617,60.859 99.233,63.475 105.009,63.475 105.244,63.71 106.56,63.71 106.56,60.273 107.015,59.817 113.137,59.817 115.976,62.657 115.976,76.225 114.663,77.539 110.752,77.539 110.752,80.144 112.381,80.144 112.629,80.391 112.629,82.278 105.341,82.278 105.341,83.598 115.568,83.598 117.653,81.514 117.653,61.438 114.508,58.293 93.02,58.293
  region net VSOLAR_MPPT_charger2: 99.974,79.07 98.323,79.07 96.926,77.673 96.926,75.243 96.232,74.549 92.964,74.549 92.964,71.958 97.206,71.958 98.171,70.993 100.99,70.993 101.165,71.168 102.235,71.168 102.235,72.517 97.917,72.517 97.917,77.013 98.476,77.572 99.974,77.572
  region net VSOLAR_MPPT_charger1: 100.228,107.252 98.235,107.252 96.952,105.969 96.952,102.74 96.168,101.956 92.992,101.956 92.992,99.39 101.619,99.39 102.188,99.96 102.188,100.965 98.781,100.965 98.146,102.006 98.146,105.816 100.228,105.816
  region net "SENSE_ideal diode1": 140.624,71.002 141.478,71.002 141.478,69.698 141.948,69.228 140.369,69.367 140.624,69.623
  region net "SENSE_ideal diode1": 127.127,70.739 127.965,70.739 127.965,69.063 128.321,68.707 126.949,68.707 127.127,69.291
  region net "SENSE_ideal diode1": 132.88,69.799 132.88,67.83 136.042,64.668 139.802,64.668 139.802,67.83 136.5,67.83 136.5,69.799
  region net VBAT2: 138.384,74.246 139.687,74.246 139.687,75.169 138.098,76.757
  region net "SENSE_ideal diode1": 124.587,56.871 125.019,56.871 125.02,57.994 124.998,64.415 124.22,64.415 124.22,56.871
  region net "L2_U_Buck - Boost Converter2": 164.871,54.621 164.871,54.009 166.503,54.009 167.273,53.238 171.729,53.238 171.729,54.788 164.871,54.788
  region net "L1_U_Buck - Boost Converter2": 164.831,57.531 164.831,56.82 166.497,56.82 167.37,55.947 171.704,55.947 171.704,57.531
  region net "L2_U_Buck - Boost Converter1": 125.247,54.889 125.247,54.127 126.771,54.127 127.584,53.315 132.093,53.315 132.093,54.889
  region net "L1_U_Buck - Boost Converter1": 125.247,57.607 132.055,57.607 132.055,55.931 127.66,55.931 126.797,56.794 125.247,56.794
  region net VBAT2: 136.957,78.994 134.62,76.657 136.957,76.657
  region net "SENSE_ideal diode1": 163.982,69.073 162.18,67.704 162.18,66.986 163.982,65.184
  region net VBAT2: 138.384,89.455 138.384,88.17 138.384,74.246 132.529,74.212 132.532,75.413 136.664,75.413 136.664,89.455
  region net VBAT1: 134.061,89.294 132.436,89.294 132.436,88.201 132.436,87.401 134.061,87.401
  region net "SENSE_ideal diode1": 125.07,65.049 124.435,64.414 124.435,58.115 124.612,57.937 125.578,57.937 125.578,64.788
  region net "SENSE_ideal diode1": 139.725,67.589 139.725,66.827 164.567,66.827 164.871,67.132 164.871,69.367 140.369,69.367 138.5,67.499
  region net "SENSE_ideal diode1": 132.887,68.758 126.594,68.758 125.197,67.361 125.705,66.853 135.456,66.853
  region net "SENSE_ideal diode1": 118.821,69.774 118.821,67.183 121.666,64.338 126.416,64.338 126.416,67.767 122.53,67.767 122.53,69.774
Bottom Layer:
  region net VBAT2: 132.461,75.54 135.103,75.565 135.306,75.565 135.306,77.368 116.662,77.368 116.662,75.54 132.639,75.54

## Silkscreen, mask and mechanical layers (free items; w line width, h text height)
Top Overlay:
  lines w0.254: 85.014,46.203 84.099,46.203 84.176,38.481 111.608,38.532 111.608,39.853 111.582,42.774 111.557,45.923 110.769,45.923 ; 90.322,117.526 89.687,117.526 89.687,122.606 90.322,122.606 ; 101.625,117.526 102.133,117.526 102.133,122.606 101.625,122.606 ; 104.673,117.399 104.038,117.399 104.038,122.479 104.673,122.479 ; 111.277,117.399 111.912,117.399 111.912,122.479 111.277,122.479
  text "Solar Input" at 91.338,121.437 h2
  text "Battery:" at 104.927,120.315 h2
  text "Voltage range:" at 90.197,119.553 h2
  text "Li-ion 1S" at 104.673,118.183 h2
  text "3.4V to 42V" at 90.894,117.548 h2
  text "RESET" at 154.207,116.205 h2 r90
  text "USER BTN 1" at 118.622,115.443 h2 r90
  text "USER BTN 0" at 132.643,115.316 h2 r90
  text "SOLAR1" at 86.081,108.737 h1.5
  text "BAT1" at 86.131,94.793 h1.5
  text "SOLAR2" at 86.004,80.975 h1.5
  text "BAT2" at 86.182,67.259 h1.5
  text "Cubesat" at 85.217,45.347 h3
  text "- ESP Board" at 95.809,45.296 h3
  text "2 Layer - Project 1" at 85.671,42.169 h3
  text "12.10.2024" at 85.728,38.819 h3

## Text inside footprints (layer, text, board x,y; h text height)
D1: Mechanical 13 "+" at 147.679,116.739 h0.75 r180
D2: Mechanical 13 "+" at 138.786,49.66 h0.75 r270
D3: Mechanical 13 "+" at 151.086,49.711 h0.75 r270
J3: Bottom Overlay "44" at 128.218,43.51 h0.75; Bottom Overlay "40" at 115.164,38.43 h0.75; Bottom Overlay "39" at 115.164,40.97 h0.75; Bottom Overlay "41" at 115.164,43.51 h0.75; Bottom Overlay "1" at 166.473,43.141 h0.75